# KiCad board GIMIX intelligent 3 port Serial.kicad_pcb (continued)
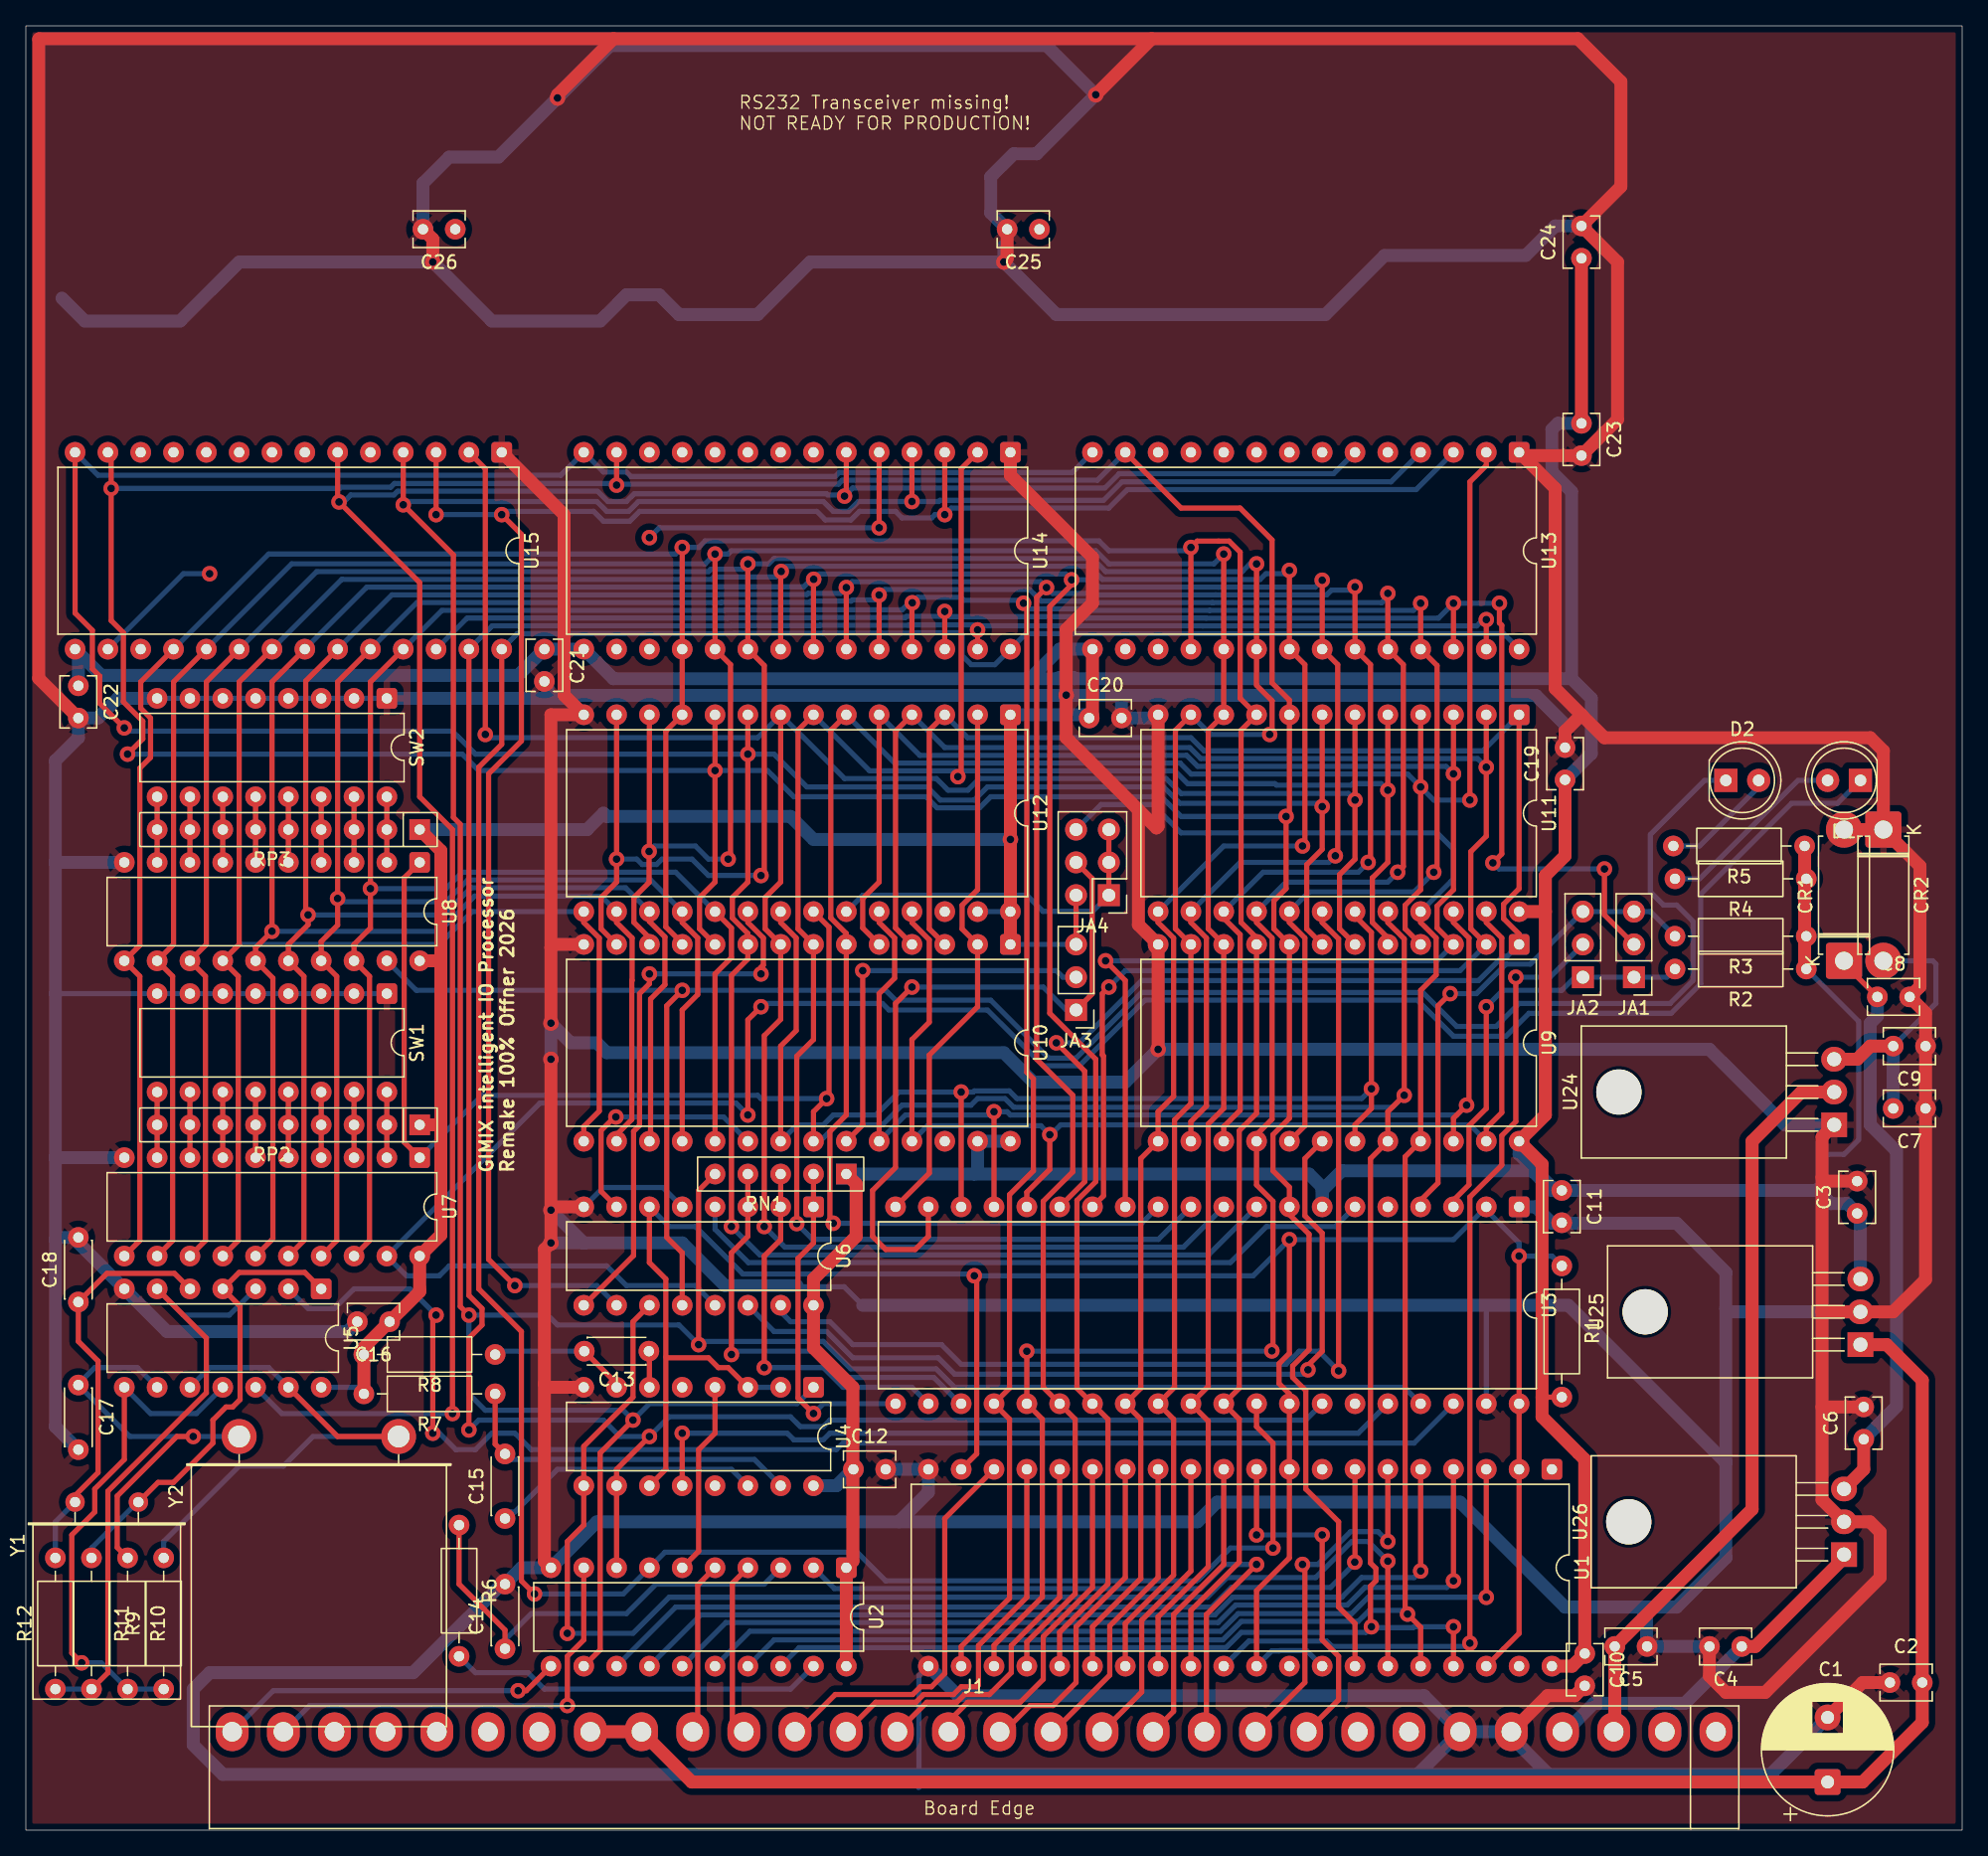
[diagram p0: board, top side]
## Routing (per net, layer and track width the routed paths; a pad name or vN(x,y) marks a point on that pad's centre or on a via; arc(x,y) is an arc through that point)
+5V: length 568
  Top w0.4: JA4.2 JA3.3 ; R1.2 117.35,33.53
  Top w1: R5.1 137.67,66.8 R2.1 ; RP2.1 31.86,54.61 32.12,54.36 ; U1.40 119.67,12.7 C10.1 120.65,28.7 117.35,32 117.35,51.56 U9.24 117.6,55.37 117.6,71.12 ; 32.12,54.36 32.12,46.09 U7.20 30.48,41.7 C16.1 26.16,37.38 R8.2 R7.2 ; 32.12,54.36 32.12,54.36 32.12,68.95 ; 32.12,68.95 32.12,75.83 RP3.1 ; 32.12,68.95 32.12,67.31 U8.20 ; U12.1 v1(76.2,76.71) U10.1 ; 117.6,71.12 U11.24 ; 117.6,71.12 117.6,73.91 119.13,75.44 C19.1 ; U13.15 82.55,86.36 C20.1 ; C24.1 C23.1 ; RN1.1 64.26,50.04 64.26,45.97 60.96,42.67 U6.16 60.96,37.34 64.01,34.29 64.01,20.83 U2.1 U2.20
  Bottom w0.4: U12.28 U12.27 ; R2.1 141.85,62.62 141.85,53.46 140.72,52.32 139.45,52.32 139.19,52.07 139.19,50.55 138.18,49.53 ; JA3.3 U10.1 ; U5.14 25.65,34.29 R7.2
  Bottom w1: 77.72,89.15 79.88,89.15 79.96,89.23 81.08,89.23 81.16,89.15 119.63,89.15 ; 77.72,89.15 45.47,89.15 U14.15 C21.1 38.1,89.41 5.84,89.41 U15.15 4.06,91.19 C22.1 ; 77.72,89.15 80.01,91.44 U13.15 ; 120.14,49.53 138.68,49.53 139.7,48.51 140.97,48.51 C3.1 141.99,47.5 U25.3 ; 120.14,49.53 118.11,49.53 ; 120.14,49.53 C11.1 ; C23.1 118.58,108.93 118.11,108.46 118.11,105.16 119.63,103.63 119.63,89.15 ; U9.24 115.57,52.32 118.11,49.78 118.11,49.53 ; 82.47,86.28 82.39,86.36 U12.1 ; 73.41,50.8 RN1.1 ; 73.41,50.8 73.66,51.05 U10.27 U10.28 ; 73.41,50.8 99.31,50.8 100.33,49.78 U3.7 100.33,49.53 101.85,51.05 116.59,51.05 118.11,49.53 ; 64.01,27.94 62.74,26.67 U4.16 ; 119.38,81.57 121.16,83.35 121.16,87.63 119.63,89.15 ; v1(76.2,76.71) 60.96,76.71 59.18,78.49 44.96,78.49 44.7,78.74 43.43,77.47 RP3.1
+8V: length 139
  Top w1: J1.23 J1.22 51.54,3.73 C1.1 142.16,3.73 146.77,8.34 C2.1 146.77,34.84 144.02,37.59 U25.1
+12V: length 44.7
  Top w0.4: CR1.1 140.72,67.1 C8.1
  Top w1: U26.3 142.24,27.94 C6.1
  Bottom w1: C8.1 143.3,63.03 142.75,62.48 142.75,54.61 144.78,52.58 144.78,32.81 C6.1
+15V: length 27.6
  Top w1: U26.1 140.72,21.08 133.86,14.22 C4.1
  Bottom w1: J1.4 119.16,7.62 121.36,9.82 128.4,9.82 C4.1
-12V: length 21.7
  Top w1: C9.2 142.75,60.71 141.73,59.69 U24.3
  Bottom w0.4: CR2.2 147.57,67.31 147.83,67.06 147.83,64.01 C9.2
  Bottom w1: C9.2 C7.2
-15V: length 58.1
  Top w1: J1.3 122.98,7.71 C5.2 133.6,24.85 133.6,53.34 137.41,57.15 U24.2
GND: length 1655.2
  Top w1: 87.14,138.7 v1(82.8,134.37) ; 87.14,138.7 120.13,138.7 123.44,135.38 123.44,127.25 C24.2 123.19,121.41 123.19,109.22 C23.2 115.82,106.43 U13.1 118.36,103.89 118.36,88.39 120.4,86.36 ; 87.14,138.7 45.48,138.7 ; 139.02,32.77 139.02,25.58 U26.2 142.72,23.88 143.51,23.08 143.51,19.56 134.62,10.67 131.57,10.67 130.3,11.94 C4.2 ; 139.02,32.77 C6.2 ; 139.02,32.77 139.02,40.13 ; 120.4,86.36 122.17,84.58 142.75,84.58 143.76,83.57 CR2.1 ; 120.4,86.36 119.13,85.09 C19.2 ; 45.48,138.7 1.03,138.7 1,138.67 1,89.17 C22.2 ; 45.48,138.7 41.15,134.37 v1(41.15,134.11) ; C3.2 139.31,50.25 139.02,50.55 ; 40.13,34.54 40.13,20.83 U2.10 ; 40.13,34.54 40.13,44.96 v1(40.64,45.47) v1(40.64,48.01) ; 40.13,34.54 40.39,34.29 U4.8 ; U14.1 76.2,104.9 82.55,98.55 82.55,95 80.52,92.96 v1(80.52,87.88) 80.52,84.58 86.11,78.99 ; v1(87.63,60.45) U9.12 86.11,70.1 86.11,78.99 ; 86.11,78.99 87.5,77.6 87.63,77.72 U11.12 ; v1(40.64,48.01) 40.89,48.26 U6.8 ; v1(40.64,48.01) v1(40.64,59.69) ; v1(75.69,121.41) 75.95,121.67 C25.2 ; 139.02,40.13 U25.2 144.53,40.13 147.03,42.63 C7.1 C9.1 147.03,63.29 C8.2 146.6,65.32 146.6,74.64 CR2.1 ; 139.02,40.13 139.02,50.55 ; 139.02,50.55 139.02,53.67 U24.1 ; C1.2 142.15,11.43 C2.2 ; 40.64,68.33 40.64,86.36 U12.14 41.66,87.88 41.66,101.85 U15.1 ; 40.64,68.33 v1(40.64,62.48) ; 40.64,68.33 40.89,68.58 U10.14 ; CR2.1 CR1.2 ; v1(31.5,121.41) 31.5,123.19 C26.2 ; C10.2 119.89,10.41 117.76,10.41 J1.5
  Bottom w0.4: U6.8 44.68,49.76 49.3,49.76 U6.5 ; SW1.1 SW1.8 2.29,64.77 ; 69.09,3.3 69.12,3.33 69.12,11.97 U1.21 ; 59.69,42.16 59.78,42.07 63.34,42.07 64.77,40.64 ; SW2.1 SW2.8 ; U3.39 113.03,40.64
  Bottom w1: 125.22,17.27 127.76,17.27 131.57,21.08 131.57,28.45 ; 125.22,17.27 119.13,17.27 111,25.4 92.2,25.4 90.68,23.88 67.56,23.88 ; 125.22,17.27 125.22,16.76 125.44,16.55 125.44,14.22 C4.2 ; U7.10 2.29,52.07 ; 2.29,52.07 2.29,74.93 ; 2.29,52.07 2.29,45.72 ; 84.84,87.86 84.8,87.82 C20.2 87.38,86.11 U11.12 ; 84.84,87.86 116.86,87.86 119.13,85.6 C19.2 ; 84.84,87.86 42.14,87.86 41.91,87.63 ; v1(75.69,121.41) 75.69,122.68 ; v1(75.69,121.41) 79.76,117.35 100.58,117.35 105.16,121.92 116.08,121.92 118.36,124.21 C24.2 ; v1(75.69,121.41) 60.71,121.41 56.64,117.35 50.55,117.35 49.02,118.87 46.48,118.87 44.45,116.84 36.07,116.84 v1(31.5,121.41) 16.51,121.41 11.94,116.84 4.57,116.84 2.79,118.62 ; 2.29,45.72 2.46,45.89 C18.2 4.06,45.47 U5.7 10.92,38.61 24.89,38.61 C16.2 ; 2.29,45.72 2.29,31.24 C17.2 ; U8.10 2.29,74.93 ; 2.29,74.93 2.29,82.8 4.06,84.58 C22.2 5.59,86.11 7.11,87.63 SW2.8 ; U1.21 72.14,10.41 108.22,10.41 J1.6 ; 131.57,40.39 131.57,43.18 127.76,46.99 119.89,46.99 ; 131.57,40.39 131.57,28.45 ; 131.57,40.39 131.83,40.13 U25.2 ; 131.57,28.45 119.38,40.64 64.77,40.64 ; 119.89,46.99 118.91,46.99 C11.2 ; 119.89,46.99 118.11,46.99 116.84,48.26 U3.1 ; C12.2 U1.20 69.85,26.16 67.56,23.88 ; C21.2 40.13,88.69 40.39,88.43 40.39,87.63 ; C26.2 30.73,127.51 32.77,129.54 36.58,129.54 45.21,138.18 78.99,138.18 v1(82.8,134.37) 78.23,129.79 76.45,129.79 74.68,128.02 74.68,125.22 C25.2 ; J1.6 107.71,4.32 ; J1.6 J1.5 114.97,7.2 117.86,4.32 ; 59.69,42.16 54.1,42.16 50.8,45.47 43.18,45.47 ; 67.56,23.88 44.2,23.88 U2.10 38.35,20.32 C14.2 36.83,19.05 29.97,12.19 14.22,12.19 12.95,10.92 12.95,6.6 15.24,4.32 107.71,4.32 ; 40.39,87.63 SW2.1 ; 40.39,87.63 41.91,87.63 ; v1(40.64,48.01) 43.18,45.47 ; 43.18,45.47 v1(40.64,45.47) ; 41.91,87.63 U12.14 ; v1(40.64,59.69) v1(40.64,62.48) 42.16,60.96 44.2,60.96 44.96,60.2 75.69,60.2 77.98,57.91 85.09,57.91 v1(87.63,60.45) 130.3,60.45 136.14,54.61 U24.1 ; 107.71,4.32 117.86,4.32 ; C1.2 135.04,4.32 117.86,4.32
/BA: length 54.1
  Bottom w0.4: U6.4 53.34,46.52 55.92,43.94 93.22,43.94 96.01,46.74 101.35,46.74 U3.6
/BD0: length 22.6
  Top w0.4: U1.11 92.71,20.57 88.83,16.69 88.83,9.2 J1.12
/BD1: length 23.2
  Top w0.4: U1.12 90.17,20.07 86.36,16.26 86.36,10.69 J1.13
/BD2: length 23.9
  Top w0.4: U1.13 87.63,19.56 83.89,15.82 83.89,12.01 79.5,7.62 J1.14
/BD3: length 25.6
  Top w0.4: J1.15 75.69,7.62 77.72,9.65 79.5,9.65 81.28,11.43 81.28,15.75 85.09,19.56 U1.14
/BD4: length 27.3
  Top w0.4: U1.15 82.55,18.8 78.74,14.99 78.74,11.68 76.96,9.91 72.9,9.91 71.41,8.42 J1.16
/BD5: length 28
  Top w0.4: U1.16 80.01,18.03 76.27,14.29 76.27,12.2 74.57,10.51 72.65,10.51 72.05,9.91 69.74,9.91 J1.17
/BD6: length 30
  Top w0.4: U1.17 77.47,18.03 73.73,14.29 73.73,11.25 73.59,11.11 72.4,11.11 71.8,10.51 69.49,10.51 68.89,9.91 65.78,9.91 J1.18
/BD7: length 30.8
  Top w0.4: J1.19 59.76,7.62 62.65,10.51 68.64,10.51 69.24,11.11 70.09,11.11 71.12,12.13 71.12,24.13 U1.18
/BE: length 13.6
  Top w0.4: J1.20 54.68,8.51 54.68,19.12 U2.4
/BR/~{W}: length 13.4
  Top w0.4: U2.5 52,18.98 52,8.01 J1.21
/CA0: length 325.7
  Top w0.4: U10.10 53.34,68.59 52.14,69.79 52.14,72.21 53.34,73.41 v1(53.34,82.04) U12.10 ; v1(45.72,104.14) U14.13 ; U13.13 89.41,102.36 93.98,102.36 96.45,99.89 96.45,88.83 97.79,87.49 U11.8 97.79,78.74 v1(97.54,78.49) 97.54,72.9 96.59,71.95 96.59,69.79 97.79,68.59 U9.8 97.79,55.12 96.52,53.85 96.52,51.05 97.79,49.78 U3.8 97.79,47.67 99.31,46.14 99.31,37.21 98.04,35.94 98.04,35.05 99.06,34.04 99.06,26.42 101.6,23.88 101.6,17.27 102.87,16 U1.34 ; U15.13 6.6,106.43 v1(6.6,103.89) 6.6,93.66 7.55,92.71 7.55,87.36 9.05,85.86 9.05,84.49 v1(7.87,83.31)
  Bottom w0.4: v1(7.87,83.31) 33.78,83.31 35.05,82.04 v1(53.34,82.04) 57.4,82.04 59.44,80.01 69.68,80.01 70.53,79.16 73.82,79.16 74.68,80.01 87.88,80.01 89.41,78.49 v1(97.54,78.49) ; U13.13 82.93,104.52 63.2,104.52 62.89,104.21 45.79,104.21 v1(45.72,104.14) 45.56,103.98 45.27,104.27 28.53,104.27 28.24,103.98 24.39,103.98 24.3,103.89 v1(6.6,103.89)
/CA1: length 304.3
  Top w0.4: U9.7 100.33,68.59 99.13,69.79 99.13,74.75 100.33,75.95 U11.7 ; U15.14 3.81,94.23 5.15,92.89 5.15,89.92 5.72,89.35 5.72,87.25 v1(7.62,85.34) ; U12.9 v1(55.88,83.31) 55.88,73.41 54.68,72.21 54.68,70.62 55.88,69.42 U10.9 55.88,67.45 54.61,66.18 v1(54.61,46.74) ; v1(100.33,79.25) 100.33,79.76
  Bottom w0.4: v1(54.61,46.74) 56.8,44.54 91.53,44.54 U3.9 ; U13.14 80.99,105.12 62.95,105.12 62.64,104.81 46.83,104.81 46.48,105.16 44.7,105.16 U14.14 41.4,104.9 5.59,104.9 U15.14 ; v1(7.62,85.34) 7.87,85.09 33.02,85.09 34.8,83.31 v1(55.88,83.31) 57.91,83.31 60.45,80.77 69.76,80.77 70.78,79.76 73.41,79.76 74.42,80.77 88.05,80.77 89.32,79.5 100.08,79.5 v1(100.33,79.25)
/CA2: length 191.9
  Top w0.4: U15.2 35.56,105.41 v1(35.56,84.84) ; U12.8 58.42,73.41 57.22,72.21 57.22,69.79 58.42,68.59 U10.8 58.42,62.78 57.15,61.51 v1(57.15,46.74) ; U11.6 102.87,75.18 101.67,73.98 101.67,69.79 102.87,68.59 U9.6 ; v1(102.87,79.76) 102.87,80.26
  Bottom w0.4: v1(102.87,79.76) 102.36,80.26 89.41,80.26 88.25,81.42 73.8,81.42 72.9,80.52 71.37,80.52 70.47,81.42 63.36,81.42 U12.8 56.64,84.58 35.81,84.58 v1(35.56,84.84) ; U3.10 89.59,45.14 58.74,45.14 v1(57.15,46.74)
/CA3: length 165.6
  Top w0.4: v1(59.66,46.97) 59.66,59.92 60.96,61.21 U10.7 60.96,68.59 59.76,69.79 59.76,85.16 U12.7 ; U11.5 105.41,74.93 104.21,73.73 104.21,70.29 105.41,69.09 U9.5 ; U14.2 72.39,105.41 72.39,81.82 v1(72.14,81.57) ; v1(105.41,80.52) 105.41,81.03
  Bottom w0.4: 72.14,81.79 v1(72.14,81.57) 72.14,81.79 ; 72.14,81.79 71.9,82.02 65.3,82.02 U12.7 ; 72.14,81.79 72.37,82.02 88.92,82.02 89.92,81.03 96.68,81.03 96.8,80.91 102.59,80.91 102.71,81.03 104.9,81.03 v1(105.41,80.52) ; v1(59.66,46.97) 60.89,45.74 87.65,45.74 U3.11
/CA4: length 163.9
  Top w0.4: U11.4 107.95,72.82 106.75,71.62 106.75,69.79 107.95,68.59 U9.4 ; v1(62.48,46.99) 62.23,47.24 62.23,54.1 63.5,55.37 U10.6 63.5,69.42 62.3,70.62 62.3,85.16 U12.6 ; v1(111.76,79.76) 111.76,104.39 113.03,105.66 U13.2
  Bottom w0.4: U12.6 67.24,82.62 89.34,82.62 90.19,81.77 106.96,81.77 v1(107.95,80.77) 108.97,79.76 v1(111.76,79.76) ; v1(62.48,46.99) 86.36,46.99 U3.12
/CA5: length 131.1
  Top w0.4: U12.5 66.04,73.41 64.77,72.14 64.77,69.85 U10.5 ; U9.3 110.49,68.59 109.22,69.86 109.22,71.55 110.49,72.82 U11.3 ; v1(83.57,67.31) 85.09,65.79 U3.13
  Bottom w0.4: U12.5 69.18,83.22 89.83,83.22 90.69,82.37 109.91,82.37 v1(110.49,81.79) ; v1(83.57,67.31) 109.22,67.31 U9.3
/CA6: length 131.9
  Top w0.4: U10.4 68.58,68.59 67.31,69.86 67.31,85.09 U12.4 ; U3.14 83.4,49.11 83.4,59.94 83.31,60.03 83.31,64.77 v1(83.82,65.28) ; U11.2 113.03,76.96 111.83,75.76 111.83,69.79 113.03,68.59 U9.2
  Bottom w0.4: U9.2 111,66.55 85.09,66.55 v1(83.82,65.28) ; v1(113.03,82.3) 112.36,82.97 90.94,82.97 90.08,83.82 71.12,83.82 U12.4
/CA7: length 137.7
  Top w0.4: U11.1 115.57,72.9 114.37,71.7 114.37,70.58 115.57,69.38 U9.1 ; v1(79.76,60.96) 81.95,58.77 81.95,50.21 80.01,48.27 U3.15 ; U10.3 71.12,68.59 69.92,69.79 69.92,85.16 U12.3
  Bottom w0.4: U9.1 114.65,67.66 114.31,67.66 112.44,65.79 86.36,65.79 81.53,60.96 v1(79.76,60.96) ; U12.3 72.9,84.58 90.17,84.58 91.19,83.57 112.78,83.57 U11.1
/CA8: length 90.1
  Top w0.4: v1(79.25,53.85) 79.25,51.17 77.47,49.39 U3.16 ; U12.25 68.58,70.28 69.92,68.94 69.92,62.55 68.58,61.21 U10.25 ; U9.23 113.03,54.36 114.23,55.56 114.23,69.08 113.03,70.28 U11.23
  Bottom w0.4: U10.25 69.78,54.54 78.56,54.54 v1(79.25,53.85) 79.33,53.85 80.1,54.61 111.76,54.61 U9.23
/CA9: length 91.7
  Top w0.4: v1(74.93,55.63) U3.17 ; U10.24 66.04,64.77 67.24,65.97 67.24,69.08 66.04,70.28 U12.24 ; U9.22 110.49,55.12 v1(111.51,56.13) 111.69,56.32 111.69,69.08 110.49,70.28 U11.22
  Bottom w0.4: U10.24 68.07,55.37 74.68,55.37 v1(74.93,55.63) 75.95,55.63 76.2,55.37 110.74,55.37 v1(111.51,56.13)
/CA10: length 94.4
  Top w0.4: U12.21 58.42,70.28 59.62,69.08 59.62,61.91 58.42,60.71 U10.21 ; U9.19 102.87,54.61 104.14,55.88 v1(104.14,57.4) 104.14,69.51 102.87,70.78 U11.19 ; v1(72.39,57.15) U3.18
  Bottom w0.4: U10.21 59.69,54.61 61.72,54.61 62.48,55.37 65.79,55.37 67.56,57.15 v1(72.39,57.15) 73.32,57.15 73.41,57.24 76.11,57.24 76.71,56.64 103.38,56.64 v1(104.14,57.4)
/CA11: length 53.9
  Top w0.4: U3.19 69.85,45.97 68.83,44.96 66.55,44.96 65.53,45.97 65.53,49.53 67.31,51.31 67.31,64.01 v1(68.58,65.28) ; JA3.1 82.53,64.75 82.53,73.68 JA4.4
  Bottom w0.4: JA3.1 80.52,63.5 78.74,65.28 v1(68.58,65.28)
/CA12: length 41.7
  Top w0.4: U3.20 69.92,50.87 69.92,60.01 73.66,63.75 U10.2 72.46,69.78 72.46,71.62 73.66,72.82 U12.2
/CA13: length 26.2
  Top w0.4: RN1.2 U6.1 60.96,45.47 59.76,44.27 59.76,33.46 v1(60.96,32.26)
  Bottom w0.4: v1(60.96,32.26) 61.72,33.02 U3.21
/CA14: length 29.4
  Top w0.4: v1(57.15,35.81) 57.15,44.45 58.42,45.72 U6.2 RN1.3
  Bottom w0.4: U3.22 68.58,34.29 63.25,34.29 61.72,35.81 v1(57.15,35.81)
/CA15: length 34.1
  Top w0.4: v1(54.61,36.83) 54.61,44.7 55.88,45.97 U6.3 RN1.4
  Bottom w0.4: v1(54.61,36.83) 54.86,37.08 61.46,37.08 63.49,35.05 70.27,35.05 72.3,33.02 U3.23
/CD0: length 267.7
  Top w0.4: U10.11 50.8,68.67 49.53,69.94 49.53,85.09 U12.11 U14.18 v1(50.8,99.31) ; U7.11 8.82,45.65 8.82,66.11 U8.11 8.82,68.51 8.82,82.23 9.65,83.06 9.65,86.11 8.89,86.87 8.89,88.9 U15.18 ; U1.29 90.17,17.02 93.91,20.76 93.91,31.82 U3.31 93.91,34.22 93.91,54.16 95.25,55.5 U9.9 95.25,69.09 94.05,70.29 94.05,85.16 U11.9 93.98,87.63 93.98,98.95 93.12,99.81 90.66,99.81 v1(90.17,99.31) U13.18
  Bottom w0.4: v1(90.17,99.31) 89.92,99.06 83.82,99.06 83.06,99.82 52.58,99.82 52.07,99.31 v1(50.8,99.31) 50.29,98.81 18.8,98.81 U15.18
/CD1: length 272.2
  Top w0.4: U7.12 11.36,45.65 11.36,66.11 U8.12 11.43,68.58 11.43,88.9 U15.19 ; v1(53.34,98.81) U14.19 54.54,90.24 54.54,75.37 v1(54.36,75.18) ; U12.12 48.26,75.8 v1(48.24,75.78) 48.24,73.38 47.06,72.21 47.06,70.29 48.26,69.09 U10.12 ; v1(92.71,98.81) U13.19 U11.10 91.51,85.16 91.51,69.79 92.71,68.59 U9.10 92.71,55.88 91.51,54.68 91.51,34.36 U3.30 91.51,31.68 91.51,20.39 87.63,16.51 U1.28
  Bottom w0.4: v1(48.24,75.78) 48.66,76.2 51.82,76.2 52.83,75.18 v1(54.36,75.18) ; U15.19 20.57,98.04 52.58,98.04 v1(53.34,98.81) 54.36,98.81 54.61,99.06 82.8,99.06 83.82,98.04 91.95,98.04 v1(92.71,98.81)
/CD2: length 285.7
  Top w0.4: U1.27 85.09,16 88.83,19.74 88.83,31.82 U3.29 88.9,34.29 88.9,54.99 90.17,56.26 U9.11 90.17,68.59 88.97,69.79 88.97,85.16 U11.11 ; v1(56.9,73.91) 57.15,74.17 57.15,90.17 U14.20 v1(55.88,98.04) ; v1(95.25,98.04) U13.20 95.25,88.65 96.45,87.45 96.45,85.02 v1(96.27,84.84) ; U12.13 v1(45.72,75.18) 45.72,73.41 44.52,72.21 44.52,69.79 45.72,68.59 U10.13 ; U15.20 13.97,88.9 13.97,68.58 U8.13 13.9,66.11 13.9,45.65 U7.13
  Bottom w0.4: v1(95.25,98.04) 94.74,98.04 94.14,97.44 92.84,97.44 92.83,97.44 83.57,97.44 82.56,98.46 57.91,98.46 57.49,98.04 v1(55.88,98.04) 55.46,97.63 53.01,97.63 52.83,97.44 22.51,97.44 U15.20 ; v1(56.9,73.91) 52.83,73.91 51.56,75.18 49.24,75.18 48.82,74.77 47.7,74.77 47.28,75.18 v1(45.72,75.18) ; v1(96.27,84.84) 91.69,84.84 U11.11
/CD3: length 283.7
  Top w0.4: v1(98.81,76.2) 98.99,76.38 98.99,90.24 U13.21 v1(97.79,97.54) ; U10.15 43.18,54.47 44.38,55.67 44.38,69.08 43.18,70.28 U12.15 ; U15.21 16.51,88.9 16.51,68.58 U8.14 16.44,66.11 16.44,45.65 U7.14 ; U11.13 87.63,70.28 88.83,69.08 88.83,56.83 87.63,55.63 U9.13 86.29,52 86.29,34.22 U3.28 86.29,31.82 86.29,19.49 82.55,15.75 U1.26 ; v1(58.46,97.45) 58.42,97.41 U14.21
  Bottom w0.4: v1(98.81,76.2) 92.71,76.2 U11.13 ; v1(97.79,97.54) 97.54,97.28 95.97,97.28 95.53,96.84 92.59,96.84 92.58,96.84 83.32,96.84 82.31,97.86 58.87,97.86 v1(58.46,97.45) 58.04,97.03 53.26,97.03 53.08,96.84 24.45,96.84 U15.21 ; U12.15 34.54,71.12 32,68.58 16.51,68.58 U8.14
/CD4: length 327
  Top w0.4: v1(80.94,96.81) 80.94,96.43 79.25,94.74 79.25,63.25 82.8,59.69 82.8,50.21 81.35,48.76 81.35,34.22 U3.27 83.75,31.82 83.75,19.07 80.01,15.33 U1.25 ; v1(100.33,96.77) U13.22 101.53,90.24 101.53,75.62 v1(101.35,75.44) ; U12.16 45.72,70.28 46.92,69.08 46.92,65.8 46.9,65.78 46.9,55.03 45.72,53.85 U10.16 ; U9.14 90.17,54.86 91.37,56.06 91.37,69.08 90.17,70.28 U11.14 ; U14.22 60.96,96.83 v1(60.97,96.85) ; U15.22 19.05,88.9 v1(19.05,69.6) 17.78,68.33 U8.15 19.12,65.97 19.12,45.79 U7.15
  Bottom w0.4: U12.16 44.54,72.3 43.69,72.3 43.67,72.32 34.73,72.32 32,69.6 v1(19.05,69.6) ; v1(101.35,75.44) 100.84,74.93 93.98,74.93 U11.14 ; U15.22 26.39,96.24 53.32,96.24 53.35,96.27 60.2,96.27 60.78,96.85 v1(60.97,96.85) 61.39,97.26 80.49,97.26 v1(80.94,96.81) 82.51,96.81 83.07,96.24 92.34,96.24 92.34,96.24 99.8,96.24 v1(100.33,96.77)
/CD5: length 324.9
  Top w0.4: U1.24 77.47,14.56 81.21,18.3 81.21,31.82 U3.26 78.74,34.29 78.74,48.69 81.03,50.97 81.03,56.9 78.23,59.69 78.23,95.45 v1(78.99,96.21) ; U14.23 v1(63.5,96.21) ; U15.23 21.66,88.97 21.66,71.05 v1(21.84,70.87) 21.84,70.1 20.32,68.58 U8.16 21.52,66.11 21.52,45.65 U7.16 ; U12.17 48.26,70.36 49.46,69.16 49.46,65.46 48.35,64.35 48.35,53.43 U10.17 ; U11.15 92.71,70.61 93.98,69.34 93.98,55.74 92.71,54.47 U9.15 ; v1(103.89,74.93) 104.07,75.11 104.07,90.24 U13.23 v1(102.87,96.27)
  Bottom w0.4: v1(21.84,70.87) 32.34,70.87 34.45,72.97 46.41,72.97 U12.17 ; v1(102.87,96.27) 102.62,96.01 101.05,96.01 100.68,95.64 92.09,95.64 92.09,95.64 82.83,95.64 82.71,95.76 79.44,95.76 v1(78.99,96.21) 78.54,96.66 63.95,96.66 v1(63.5,96.21) 63.05,95.76 60.54,95.76 60.45,95.67 53.59,95.67 53.57,95.64 28.33,95.64 U15.23 ; U11.15 95.76,74.17 103.12,74.17 v1(103.89,74.93)
/CD6: length 298
  Top w0.4: U12.18 50.8,70.28 52,69.08 52,64.7 50.8,63.5 U10.18 ; U11.16 95.25,70.28 96.45,69.08 96.45,55.05 95.25,53.85 U9.16 95.25,49.96 96.52,48.69 96.52,37.2 v1(96.43,37.11) ; U1.23 74.93,14.31 78.67,18.05 78.67,31.82 U3.25 v1(77.47,37.08) ; v1(106.17,74.17) 106.61,74.61 106.61,90.24 U13.24 v1(105.41,95.76) ; U14.24 v1(66.04,95.63) ; U15.24 24.13,88.9 v1(24.13,72.14) 24.13,70.07 22.86,68.8 U8.17 24.06,66.11 24.06,45.65 U7.17
  Bottom w0.4: v1(106.17,74.17) 105.41,73.41 97.54,73.41 U11.16 ; v1(24.13,72.14) 24.38,71.88 32.51,71.88 34.2,73.57 48.35,73.57 U12.18 ; U15.24 30.27,95.04 53.82,95.04 53.84,95.07 60.7,95.07 60.79,95.16 63.88,95.16 63.97,95.25 65.66,95.25 v1(66.04,95.63) 66.47,96.06 77.68,96.06 78.58,95.16 82.46,95.16 82.58,95.04 91.84,95.04 91.84,95.04 104.95,95.04 105.41,95.5 v1(105.41,95.76) ; v1(77.47,37.08) 96.41,37.08 v1(96.43,37.11)
/CD7: length 320.1
  Top w0.4: U10.19 53.34,66.29 54.61,67.56 54.61,69.84 53.34,71.11 U12.19 ; U7.18 26.6,45.65 26.6,66.11 U8.18 25.4,68.58 26.67,69.85 v1(26.67,72.9) 26.67,88.9 U15.25 ; v1(107.95,95) U13.25 109.22,90.17 109.22,74.42 v1(108.97,74.17) ; v1(77.22,95) 77.47,94.74 77.47,58.67 77.98,58.17 77.98,51.05 76.13,49.21 76.13,34.22 U3.24 76.13,31.82 76.13,17.96 72.39,14.22 U1.22 ; U14.25 68.58,95.01 v1(68.61,95.03) ; U9.17 98.99,54.54 98.99,69.08 97.79,70.28 U11.17
  Bottom w0.4: v1(107.95,95) 107.39,94.44 91.59,94.44 91.59,94.44 82.33,94.44 82.21,94.56 77.65,94.56 v1(77.22,95) 76.98,95.23 72.59,95.23 72.36,95.46 69.03,95.46 v1(68.61,95.03) 68.36,95.03 67.82,94.49 60.97,94.49 60.94,94.47 54.09,94.47 54.07,94.44 32.21,94.44 U15.25 ; v1(26.67,72.9) 32.51,72.9 33.78,74.17 50.29,74.17 U12.19 ; U11.17 99.31,72.64 107.44,72.64 v1(108.97,74.17)
/CPUCLK: length 104.8
  Top w0.4: v1(31.5,30.73) 31.5,39.62 v1(31.75,39.88)
  Bottom w0.4: U5.2 21.84,40.39 23.88,40.39 25.4,41.91 29.72,41.91 v1(31.75,39.88) ; v1(31.5,30.73) 32,30.73 33.27,29.46 34.8,29.46 36.07,30.73 37.85,30.73 39.12,29.46 62.74,29.46 63.25,29.97 107.44,29.97 U3.38
/E: length 224.9
  Top w0.4: U2.8 U4.10 45.72,27.94 v1(48.26,30.48) ; v1(34.29,30.99) 34.29,38.1 35.31,39.12 35.31,40.39 34.29,41.4 U15.27 ; U14.27 v1(73.66,92.93) ; v1(113.03,93.73) U13.27
  Bottom w0.4: U15.27 36.09,93.24 54.57,93.24 54.59,93.27 61.44,93.27 61.46,93.29 68.32,93.29 68.34,93.31 73.28,93.31 v1(73.66,92.93) 73.97,93.24 91.09,93.24 91.1,93.24 112.29,93.24 112.78,93.73 v1(113.03,93.73) ; v1(34.29,30.99) 35.05,31.75 44.7,31.75 45.97,30.48 v1(48.26,30.48) 49.78,32 59.18,32 59.94,31.24 61.72,31.24 62.23,31.75 99.06,31.75 U3.34
/MRDY: length 60
  Top w0.4: v1(50.8,30.73) U4.12
  Bottom w0.4: v1(50.8,30.73) 58.93,30.73 59.44,30.23 61.72,30.23 62.23,30.73 103.12,30.73 U3.36
/R/~{W}: length 230.6
  Top w0.4: v1(96.52,21.84) 96.52,29.97 95.25,31.24 U3.32 ; v1(39.37,18.29) 38.35,19.3 38.35,38.61 35.05,41.91 35.05,82.3 36.83,84.07 U15.28
  Bottom w0.4: U13.28 114.37,92.64 77.4,92.64 U14.28 75,90.24 73.16,90.24 72.46,90.94 72.46,92.56 72.31,92.71 68.59,92.71 68.56,92.69 61.71,92.69 61.69,92.67 54.84,92.67 54.81,92.64 38.03,92.64 U15.28 ; v1(39.37,18.29) 46.23,18.29 U2.7 49.46,21.52 64.33,21.52 66.55,19.3 90.59,19.3 90.68,19.4 90.77,19.4 93.22,21.84 v1(96.52,21.84)
/RS0: length 28.2
  Top w0.4: U1.6 v1(105.41,22.35) ; v1(98.81,20.57) 98.99,20.39 98.99,11.44 J1.10
  Bottom w0.4: v1(98.81,20.57) 99.99,20.57 102.53,23.11 104.65,23.11 v1(105.41,22.35)
/RS1: length 50.4
  Top w0.4: v1(95.25,20.57) 91.37,16.69 91.37,7.78 J1.11
  Bottom w0.4: U2.2 62.58,18.7 90.93,18.7 92.8,20.57 v1(95.25,20.57)
/SCLK: length 178.7
  Top w0.4: v1(33.02,32.26) 33.02,77.47 30.48,80.01 30.48,96.59 v1(24.24,102.84) 24.13,102.94 U15.6 ; U14.6 63.5,103.43 v1(63.36,103.29)
  Bottom w0.4: v1(33.02,32.26) 19.81,32.26 U5.12 ; U13.6 101.22,105.03 84.62,105.03 83.51,103.92 63.99,103.92 v1(63.36,103.29) 63.27,103.38 62.06,103.38 61.97,103.47 47.08,103.47 46.48,102.87 45.04,102.87 44.25,103.67 28.78,103.67 28.49,103.38 25.15,103.38 24.6,102.84 v1(24.24,102.84)
/~{0000}: length 82.5
  Top w0.4: U11.18 100.33,70.28 101.6,69.01 v1(101.6,35.56)
  Bottom w0.4: U6.15 58.42,40.13 59.18,39.37 62.23,39.37 64.01,37.59 70.87,37.59 72.39,36.07 97.54,36.07 98.55,37.08 100.08,37.08 v1(101.6,35.56)
/~{2000}: length 65
  Top w0.4: U9.18 98.99,52 98.99,47.57 100.33,46.23 100.33,37.08 99.23,35.98 v1(99.23,35.64)
  Bottom w0.4: U6.14 57.91,38.61 61.98,38.61 64.01,36.58 70.61,36.58 71.88,35.31 98.89,35.31 v1(99.23,35.64)
/~{4000}: length 172.4
  Top w0.4: v1(55.88,55.37) 55.88,62.74 v1(56.9,63.75)
  Bottom w0.4: v1(55.88,55.37) 54.96,56.3 39.79,56.3 U7.19 29.46,42.93 32,42.93 32.77,43.69 44.96,43.69 46.48,42.16 51.82,42.16 U6.13 ; v1(56.9,63.75) 57.15,64.01 66.29,64.01 66.8,63.5 74.42,63.5 78.74,59.18 81.53,59.18 86.61,64.26 107.7,64.26 110.49,61.47 114.55,61.47 116.33,63.25 127.34,63.25 129.63,65.54 129.63,72.48 136.65,79.5 140.21,79.5 D1.1
/~{6000}: length 155.1
  Top w0.4: U6.12 50.8,44.7 49.6,45.9 49.6,63.82 v1(50.8,65.02)
  Bottom w0.4: D2.1 129.92,81.28 125.73,77.09 125.73,72.64 126.75,71.63 127.76,71.63 129.03,70.36 129.03,65.79 127.25,64.01 115.57,64.01 113.79,62.23 110.74,62.23 108.11,64.86 86.37,64.86 81.29,59.78 79.16,59.78 74.68,64.26 67.31,64.26 66.55,65.02 v1(50.8,65.02) 30.23,65.02 U8.19
/~{8000}: length 103.2
  Top w0.4: U1.35 v1(105.41,20.83) ; U6.11 46.99,39.37 46.99,33.53 43.18,29.72 U4.9 43.18,23.62 41.91,22.35 v1(41.91,15.24)
  Bottom w0.4: v1(41.91,15.24) 46.99,15.24 49.78,18.03 91.44,18.03 92.96,19.56 99.82,19.56 102.62,22.35 103.89,22.35 v1(105.41,20.83)
/~{A000}: length 162.7
  Top w0.4: v1(37.85,42.16) 35.81,44.2 35.81,81.79 38.35,84.33 38.35,100.33 v1(36.83,101.85) ; v1(31.75,101.85) U15.3 ; v1(71.12,101.85) U14.3
  Bottom w0.4: U6.10 44.2,42.16 v1(37.85,42.16) ; U13.3 107.6,103.79 85.25,103.79 83.82,102.36 71.63,102.36 v1(71.12,101.85) 70.36,101.85 70.1,101.6 67.82,101.6 67.31,102.11 64.52,102.11 63.85,101.44 61.88,101.44 61.21,102.11 47.5,102.11 46.74,101.35 44.7,101.35 43.94,102.11 37.08,102.11 v1(36.83,101.85) v1(31.75,101.85)
/~{C000}: length 41.8
  Top w0.4: v1(56.9,66.29) 56.9,66.8 57.08,66.99 57.08,69.08 55.88,70.28 U12.20 ; v1(48.26,66.29) 48.26,65.53 47.5,64.77 47.5,54.57 47.03,54.1 47.03,44.49 U6.9
  Bottom w0.4: v1(56.9,66.29) v1(48.26,66.29)
/~{CFIRQ}: length 38.3
  Top w0.4: U3.4 107.95,48.77 109.29,50.11 109.29,63.82 v1(110.24,64.77)
  Bottom w0.4: v1(110.24,64.77) 112.27,64.77 114.55,67.06 116.44,67.06 JA2.3 JA1.3 125.73,71.12 R3.2
/~{CIRQ}: length 32.4
  Top w0.4: v1(113.03,63.75) 113.03,55.88 111.69,54.54 111.69,49.97 110.49,48.77 U3.3
  Bottom w0.4: v1(113.03,63.75) 114.3,65.02 118.87,65.02 119.89,66.04 JA2.1 JA1.1 127,66.04 R2.2
/~{E000}: length 19
  Top w0.4: U6.7 44.52,49.46 44.52,54.17 45.57,55.22 v1(45.66,55.22)
  Bottom w0.4: U10.20 54,55.22 v1(45.66,55.22)
/~{IOSEL}: length 26.8
  Top w0.4: U2.11 38.73,10.79 v1(38.1,10.79)
  Bottom w0.4: J1.30 19.14,10.79 v1(38.1,10.79)
/~{IRQ}: length 26.9
  Top w0.4: v1(100.33,22.86) 100.33,14.73 101.6,13.46 101.6,10.09 J1.9 ; U1.10 v1(95.25,22.86)
  Bottom w0.4: v1(95.25,22.86) v1(100.33,22.86)
/~{RD}: length 237.8
  Top w0.4: U8.1 29.28,73.73 29.28,53.27 U7.1 ; U10.22 60.96,55.63 v1(61.98,56.64) 62.16,56.83 62.16,69.91 60.96,71.11 U12.22 ; U11.20 105.41,70.28 106.68,69.01 v1(106.68,56.9) 105.41,55.63 U9.20 104.07,52 104.07,20.68 104.49,20.27 104.49,19.31 104.07,18.89 104.07,15.82 v1(104.14,15.75) ; U1.37 v1(110.49,15.75)
  Bottom w0.4: v1(106.68,56.9) 105.76,55.97 76.45,55.97 75.78,56.64 73.66,56.64 73.15,56.13 67.82,56.13 66.29,54.61 62.74,54.61 61.47,53.34 U10.22 ; v1(110.49,15.75) 107.44,15.75 107.37,15.68 104.21,15.68 v1(104.14,15.75) 103.7,15.31 94.06,15.31 92.88,14.13 59.85,14.13 U2.18 ; U7.1 35.31,56.9 56.64,56.9 56.9,56.64 v1(61.98,56.64)
/~{RESET}: length 34
  Top w0.4: U2.9 43.18,14.73 41.91,13.46 v1(41.91,9.65)
  Bottom w0.4: v1(41.91,9.65) 21.96,9.65 J1.29
/~{RST}: length 300.1
  Top w0.4: RN1.5 52.07,49.53 v1(52.07,37.59) ; U2.12 44.45,13.97 44.45,29.21 v1(46.99,31.75) ; v1(68.58,102.87) U14.4 ; v1(34.29,39.88) 33.62,40.55 33.62,77.89 33.09,78.42 33.09,98.74 v1(29.21,102.62) U15.4
  Bottom w0.4: v1(29.21,102.62) 29.46,102.87 44.2,102.87 44.96,102.11 46.65,102.11 47.41,102.87 61.72,102.87 62.48,102.11 63.67,102.11 64.43,102.87 v1(68.58,102.87) 70.65,102.87 70.74,102.96 83.4,102.96 84.84,104.39 105.66,104.39 U13.4 ; U4.1 59.69,33.02 48.26,33.02 v1(46.99,31.75) 46.23,32.51 35.56,32.51 34.29,33.78 v1(34.29,39.88) 40.39,39.88 41.15,39.12 50.55,39.12 v1(52.07,37.59) 52.32,37.85 61.72,37.85 63.85,35.72 70.45,35.72 71.88,34.29 106.68,34.29 U3.37
/~{SIRQ}: length 126.8
  Top w0.4: v1(113.54,74.89) 114.23,75.58 114.23,93.29 114.05,93.47 v1(114.05,95) ; JA1.2 122.17,70.87 v1(122.17,74.42) ; v1(110.49,95) U13.26 ; v1(71.12,94.36) U14.26
  Bottom w0.4: v1(113.54,74.89) 114.01,74.42 v1(122.17,74.42) ; U15.26 34.15,93.84 54.32,93.84 54.34,93.87 61.19,93.87 61.21,93.89 68.07,93.89 68.16,93.98 70.74,93.98 v1(71.12,94.36) 71.52,93.96 81.96,93.96 82.08,93.84 91.34,93.84 91.35,93.84 109.33,93.84 v1(110.49,95) v1(114.05,95)
/~{WR}: length 150.7
  Top w0.4: U1.36 107.95,15.71 v1(106.93,16.73) 106.75,16.91 106.75,52.14 U9.21 107.95,65.02 109.15,66.22 109.15,69.08 107.95,70.28 U11.21
  Bottom w0.4: v1(106.93,16.73) 106.65,17.02 103.97,17.02 103.12,16.16 94.07,16.16 92.63,14.73 57.91,14.73 U2.17 ; U11.21 110.49,73.66 110.49,75.95 109.22,77.22 89.41,77.22 87.21,79.41 83.22,79.41 JA4.6
PU: length 200
  Top w0.4: U3.40 U1.2 115.57,15.24 U1.38 ; U3.40 v1(115.57,44.45) ; U3.40 115.57,32.26 ; v1(97.79,45.72) 97.79,36.92 96.99,36.12 96.99,34.58 97.79,33.78 U3.33 U1.9 97.79,21.08 95.25,18.54 U1.31 ; v1(73.41,42.93) 73.59,42.74 73.59,29.14 U1.19 ; 49.53,36.51 49.53,27.94 U4.11 ; U6.6 48.26,43.94 49.53,42.67 49.53,36.65 49.6,36.58 52.83,36.58 53.59,35.81 54.36,35.81 U4.3
  Bottom w0.4: U4.3 U4.2 ; R1.1 118.11,44.45 v1(115.57,44.45) 115.57,45.47 113.03,48.01 U3.2 110.49,45.72 v1(97.79,45.72) 95,42.93 v1(73.41,42.93) 73.27,43.06 55.49,43.06 51.82,46.74 49.78,46.74 U6.6 ; U1.31 96.43,13.88 97.02,13.88 97.04,13.9 99.13,13.9 U1.33
Net-(C17-Pad1): length 34.3
  Top w0.4: R10.1 7.07,21.88 7.07,25.87 11.68,30.48 v1(12.95,30.48)
  Bottom w0.4: Y2.1 v1(12.95,30.48) 8.05,30.48 C17.1 4.06,34.54 5.33,35.81 8.64,35.81 U5.9
Net-(C18-Pad1): length 31.9
  Top w0.4: Y1.1 3.81,25.91 5.59,27.69 5.59,36.32 4.06,37.85 C18.1 6.28,43.11 11.5,43.11 U5.5
  Bottom w0.4: Y1.1 2.29,23.88 R12.2
Net-(D1-A): length 15
  Bottom w0.4: D1.2 137.16,81.28 129.54,73.66 R4.2
Net-(D2-A): length 9
  Bottom w0.4: R5.2 129.54,76.2 134.11,80.77 D2.2
Net-(JA2-C): length 79.4
  Top w0.4: v1(111.76,14.48) 111.76,49.02 114.23,51.49 114.23,53.78 115.32,54.86 v1(115.32,66.04)
  Bottom w0.4: v1(111.76,14.48) 111.51,14.22 101.09,14.22 100.68,14.64 94.65,14.64 U1.30 ; JA2.2 117.96,66.04 v1(115.32,66.04)
Net-(JA3-C): length 30.5
  Top w0.4: U10.23 64.77,54.61 v1(64.77,66.55)
  Bottom w0.4: JA3.2 80.26,66.04 79.76,66.55 v1(64.77,66.55)
Net-(JA4-Pin_1): length 27
  Top w0.4: JA4.5 JA4.1
  Bottom w0.4: U12.23 64.77,72.39 77.47,72.39 78.72,71.14 82.57,71.14 JA4.1
Net-(R9-Pad2): length 41.8
  Top w0.4: U5.13 24.13,30.48 Y2.2
  Bottom w0.4: U5.13 18.8,35.81 14.22,35.81 U5.10 ; Y2.2 22.22,30.48 19.94,28.19 16.51,28.19 10.67,22.35 R9.2
Net-(R10-Pad2): length 39.8
  Top w0.4: U5.8 7.62,28.7 5.33,26.42 5.33,24.64 3.56,22.86 3.56,13.72 v1(4.32,12.95)
  Bottom w0.4: v1(4.32,12.95) 5.84,12.95 R10.2 R9.1 ; U5.11 13.21,32.26 9.65,32.26 U5.8
Net-(R11-Pad1): length 35.9
  Top w0.4: Y1.2 10.23,26.92 11.43,26.92 14.48,29.97 14.48,31.75 15.49,32.77 16,32.77 16.58,33.34 16.58,40.57 U5.4 16.51,43.18 21.59,43.18 U5.1
  Bottom w0.4: Y1.2 8.64,25.4 5.08,21.84 R11.1
Net-(R11-Pad2): length 48.3
  Top w0.4: R11.2 6.35,12.19 6.35,26.24 13.97,33.86 13.97,38.1 U5.6
  Bottom w0.4: U5.3 15.75,39.88 12.19,39.88 U5.6 ; R12.1 R11.2
Net-(RP2-R1): length 5.1
  Top w0.4: SW1.16 U7.2
Net-(RP2-R2): length 5.1
  Top w0.4: SW1.15 U7.3
Net-(RP2-R3): length 5.1
  Top w0.4: SW1.14 U7.4
Net-(RP2-R4): length 5.1
  Top w0.4: SW1.13 U7.5
Net-(RP2-R5): length 5.1
  Top w0.4: SW1.12 U7.6
Net-(RP2-R6): length 5.1
  Top w0.4: SW1.11 U7.7
Net-(RP2-R7): length 5.1
  Top w0.4: SW1.10 U7.8
Net-(RP2-R8): length 5.1
  Top w0.4: SW1.9 U7.9
Net-(RP3-R1): length 5.1
  Top w0.4: SW2.16 U8.2
Net-(RP3-R2): length 5.1
  Top w0.4: SW2.15 U8.3
Net-(RP3-R3): length 5.1
  Top w0.4: SW2.14 U8.4
Net-(RP3-R4): length 5.1
  Top w0.4: SW2.13 U8.5
Net-(RP3-R5): length 5.1
  Top w0.4: SW2.12 U8.6
Net-(RP3-R6): length 5.1
  Top w0.4: SW2.11 U8.7
Net-(RP3-R7): length 5.1
  Top w0.4: SW2.10 U8.8
Net-(RP3-R8): length 5.1
  Top w0.4: SW2.9 U8.9
Net-(U1-CA): length 71.8
  Top w0.4: v1(113.03,18.03) U1.3
  Bottom w0.4: v1(113.03,18.03) 103.89,18.03 102.62,16.76 93.82,16.76 92.46,15.4 56.04,15.4 U2.16
Net-(U1-DA): length 71.1
  Top w0.4: v1(110.49,19.3) U1.4
  Bottom w0.4: U2.15 54.17,16.07 92.28,16.07 93.64,17.43 102.27,17.43 103.63,18.8 109.98,18.8 v1(110.49,19.3)
Net-(U1-EA): length 70.6
  Top w0.4: v1(107.95,20.07) U1.5
  Bottom w0.4: U2.14 52.23,16.67 92.03,16.67 93.39,18.03 101.85,18.03 103.38,19.56 107.44,19.56 v1(107.95,20.07)
Net-(U1-GA): length 67.7
  Top w0.4: U1.7 102.87,20.77 v1(102.85,20.76)
  Bottom w0.4: U2.13 50.29,17.27 91.78,17.27 93.3,18.8 100.98,18.8 102.85,20.67 v1(102.85,20.76)
Net-(U2-I3): length 35.4
  Top w0.4: C14.1 37.08,15.49 33.53,19.05 R6.1
  Bottom w0.4: U2.3 57.15,19.05 48.77,19.05 46.48,16.76 39.12,16.76 37.08,14.73 C14.1
Net-(U2-I6): length 15
  Top w0.4: U2.6 52.07,21.59 52.07,29.46 53.34,30.73 U4.4
Net-(U2-IO1): length 29.2
  Bottom w0.4: R6.2 34.8,12.19 38.86,12.19 40.13,10.92 59.18,10.92 U2.19
Net-(U4A-Cext): length 20.9
  Bottom w0.4: C15.1 37.59,24.64 37.85,24.64 41.15,27.94 54.61,27.94 U4.14
Net-(U4A-RCext): length 27.3
  Top w0.4: C15.2 36.32,29.89 R7.1
  Bottom w0.4: U4.15 56.39,28.7 37.59,28.7 37.34,28.96 37.26,28.96 C15.2
Net-(U4B-Cext): length 2.3
  Top w0.4: U4.6 48.26,36.58
Net-(U4B-RCext): length 11
  Top w0.4: U4.7 45.72,34.58 C13.2
  Bottom w0.4: 43.18,37.59 42.67,37.08 36.58,37.08 R8.1
unconnected-(U14-RxC-Pad5): length 23.9
  Top w0.4: U14.5 v1(66.04,100.84)
  Bottom w0.4: v1(48.26,100.08) 49.02,100.84 v1(66.04,100.84)
unconnected-(U15-~{DCD}-Pad16): length 10.3
  Bottom w0.4: U15.16 12.19,97.28 v1(14.22,97.28)

## Copper pours and planes (outline as drawn; the poured copper is in the pictures)
GND on Top, Bottom: 151.13,140.97 151.13,-1.27 -2.54,-1.27 -1.27,140.97

## Text on the board
F.Silkscreen: RS232 Transceiver missing! / NOT READY FOR PRODUCTION! | GIMIX intelligent IO Processor / Remake 100% Offner 2026
